# KiCad board helios-panel.kicad_pcb (continued)
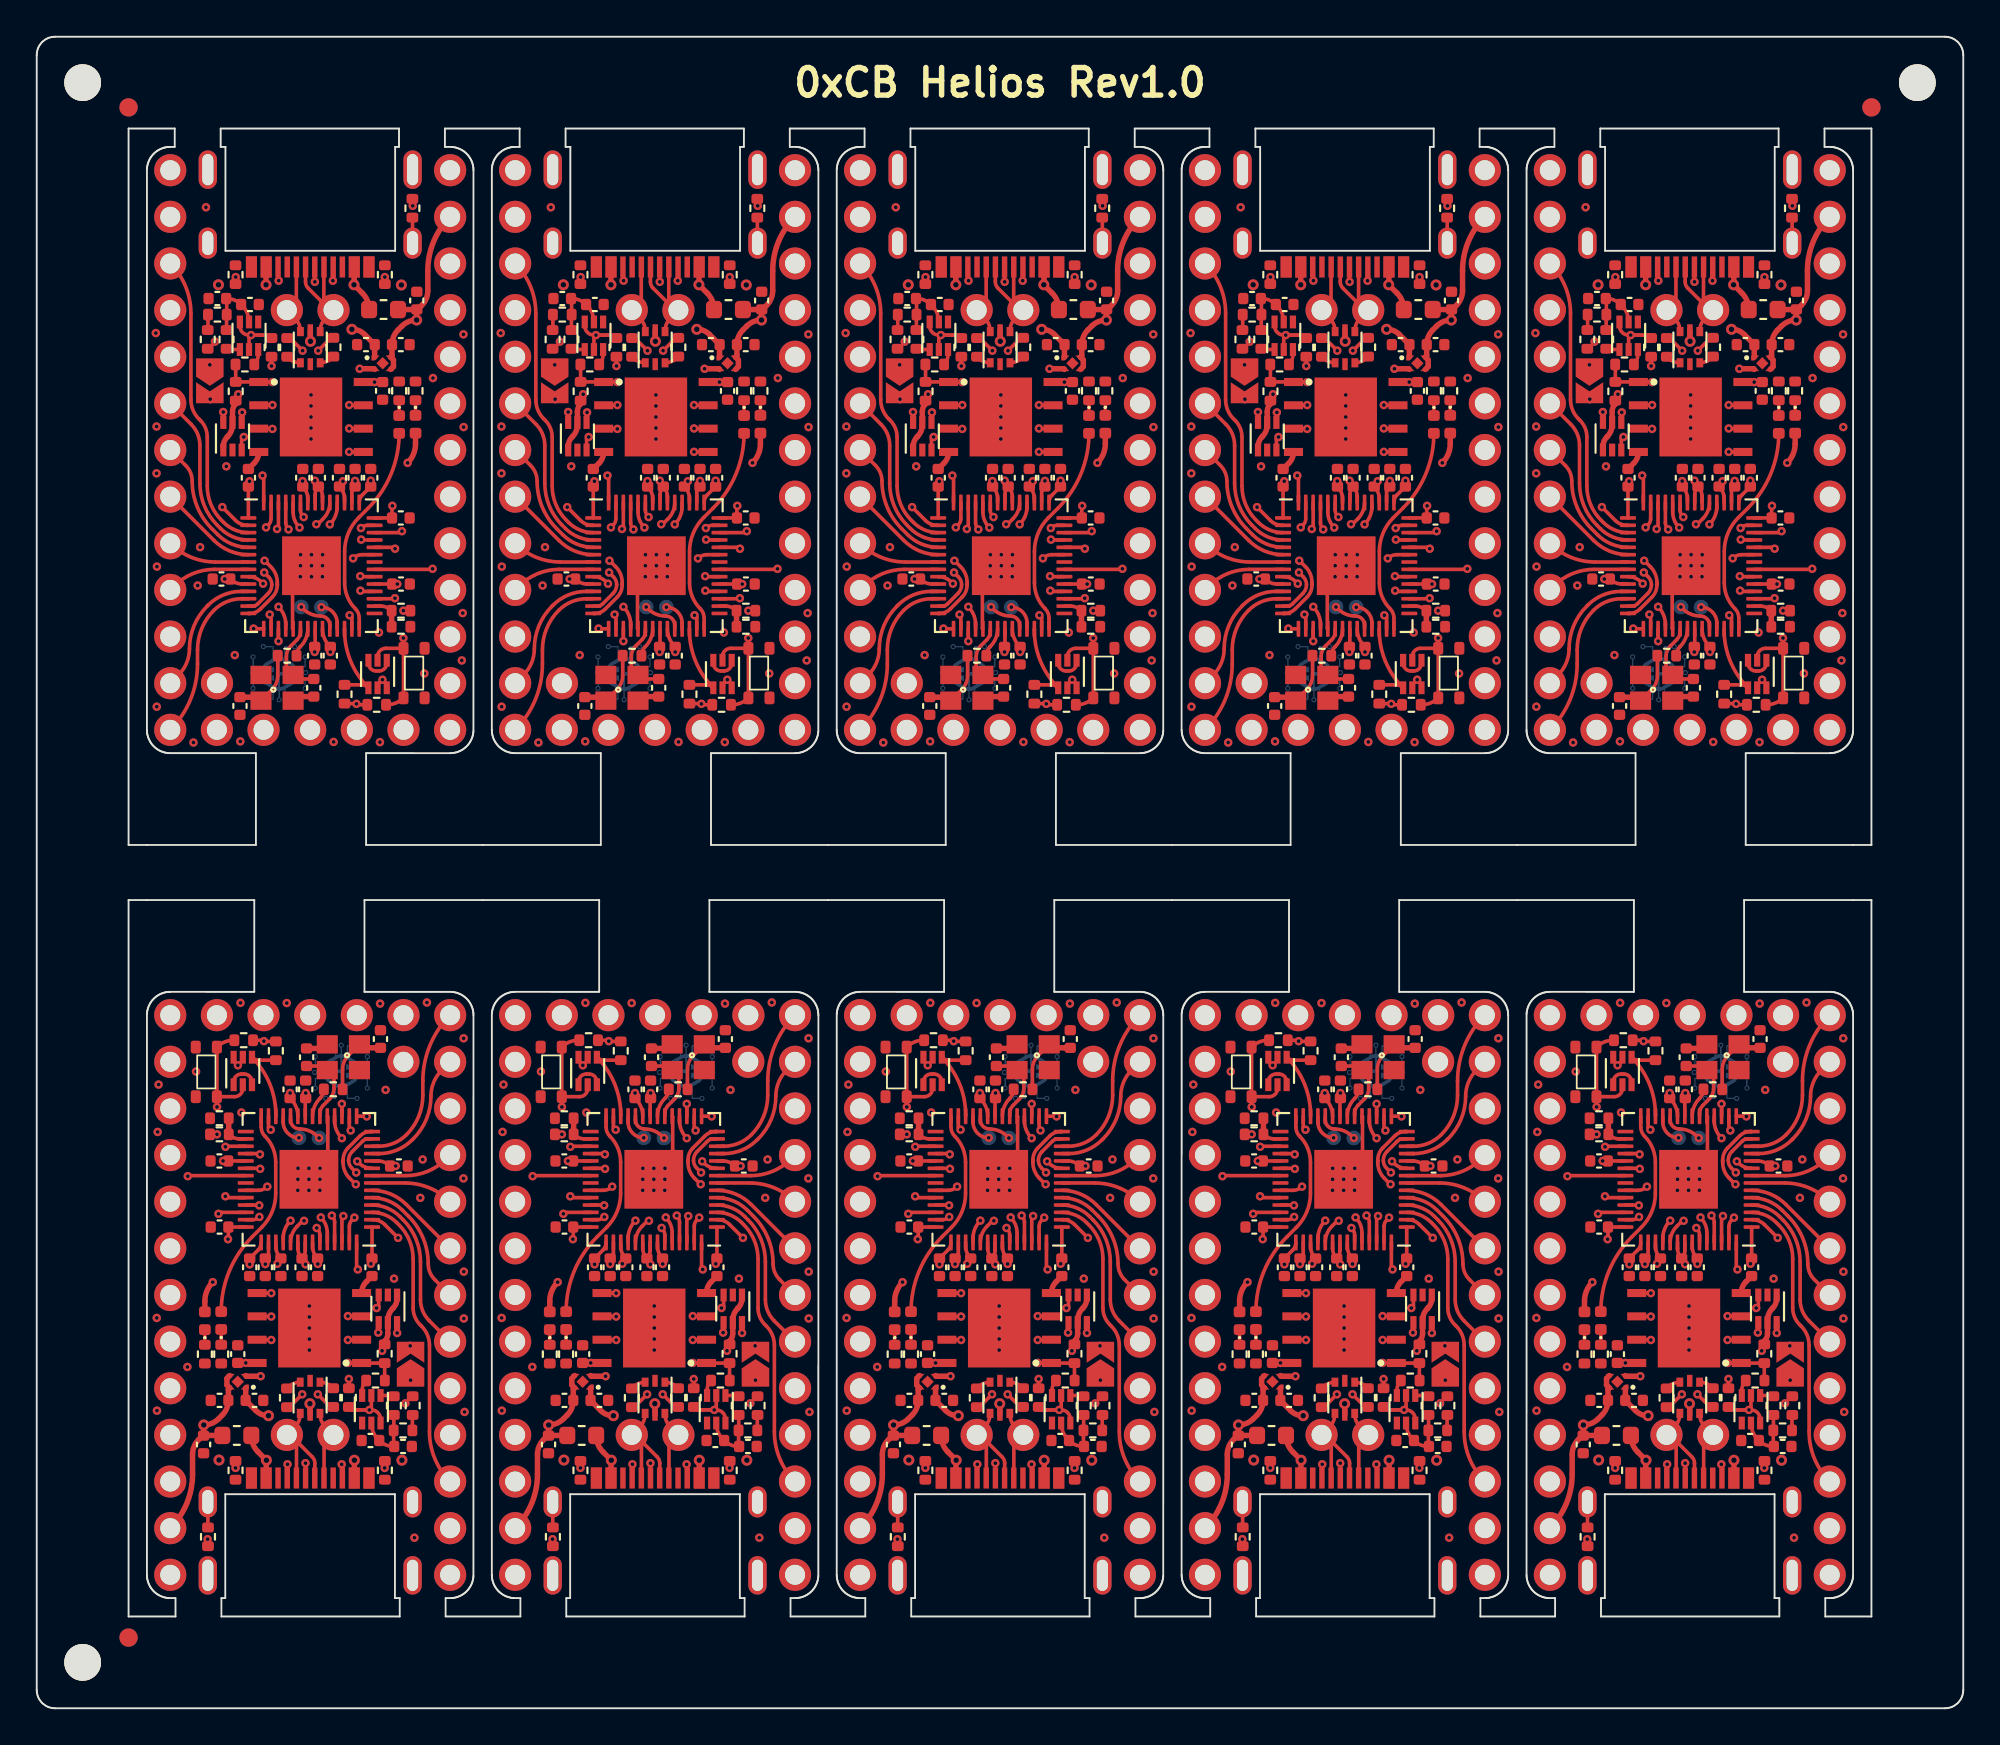
[diagram p0: board, top side]
## Routing (per net, layer and track width the routed paths; a pad name or vN(x,y) marks a point on that pad's centre or on a via; arc(x,y) is an arc through that point) (continued)
Board_9-/QSPI_CLK: length 11.3
  Top w0.2: U4#3.52 90.94,25.89 arc(90.85,26.35) v1(90.59,26.73) ; v1(87.89,21.34) 87.88,21.35 U3#3.6
  In2.Cu w0.2: v1(90.59,26.73) 90.59,26.64 arc(91.05,25.94) 91.22,25.13 91.22,23.85 arc(91.04,23.43) 90.62,23.26 87.92,23.26 arc(87.56,23.11) 87.42,22.76 87.42,22.48 arc(87.54,21.86) v1(87.89,21.34)
Board_9-/QSPI_CS: length 9.8
  Top w0.2: v1(92.61,23.9) 92.54,23.97 92.54,25.35 ; R9.1 94.06,17.86 R11#4.2 92.81,18.8 U3#3.1 92.07,18.81 v1(92.06,18.81)
  In2.Cu w0.2: v1(92.61,23.9) arc(92.78,23.64) 92.84,23.34 92.84,20.68 arc(92.64,19.67) v1(92.06,18.81)
Board_9-/QSPI_SD0: length 11.3
  Top w0.2: v1(91.19,26.84) 91.19,26.83 arc(91.3,26.67) 91.34,26.48 U4#3.53 ; v1(87.89,22.61) 87.89,22.62 U3#3.5
  In2.Cu w0.2: v1(91.19,26.84) 91.19,26.76 arc(91.43,26.4) 91.52,25.98 91.52,23.8 arc(91.27,23.21) 90.68,22.96 89.84,22.96 arc(89.74,22.92) 89.69,22.81 89.69,22.56 arc(89.65,22.45) 89.55,22.41 arc(89.44,22.45) 89.39,22.56 89.39,22.81 arc(89.35,22.92) 89.25,22.96 arc(89.14,22.92) 89.09,22.81 89.09,22.56 arc(89.05,22.45) 88.94,22.41 arc(88.84,22.45) 88.8,22.56 88.8,22.81 arc(88.75,22.92) 88.64,22.96 arc(88.27,22.89) 87.95,22.67 v1(87.89,22.61)
Board_9-/QSPI_SD1: length 11.4
  Top w0.2: v1(92.42,26.72) 92.29,26.6 arc(92.18,26.43) 92.14,26.24 U4#3.55 ; U3#3.2 92.08,20.08 v1(92.06,20.06)
  In2.Cu w0.2: v1(92.42,26.72) 92.25,26.56 arc(92.15,26.41) 92.11,26.24 arc(92.16,26.13) 92.27,26.09 92.36,26.09 arc(92.47,26.05) 92.52,25.94 arc(92.47,25.83) 92.36,25.79 92.27,25.79 arc(92.16,25.75) 92.11,25.64 arc(92.16,25.53) 92.27,25.49 92.36,25.49 arc(92.47,25.45) 92.52,25.34 arc(92.47,25.23) 92.36,25.19 92.27,25.19 arc(92.16,25.15) 92.11,25.04 arc(92.16,24.93) 92.27,24.89 92.36,24.89 arc(92.47,24.85) 92.52,24.74 arc(92.47,24.63) 92.36,24.59 92.27,24.59 arc(92.16,24.55) 92.11,24.44 92.11,23.88 arc(92.15,23.69) 92.26,23.53 92.39,23.4 arc(92.5,23.23) 92.54,23.04 92.54,22.7 arc(92.5,22.6) 92.39,22.55 92.29,22.55 arc(92.18,22.51) 92.14,22.4 arc(92.18,22.3) 92.29,22.25 92.39,22.25 arc(92.5,22.21) 92.54,22.1 92.54,21.2 arc(92.42,20.59) v1(92.06,20.06)
Board_9-/QSPI_SD2: length 11.3
  Top w0.2: v1(91.81,26.81) 91.74,26.73 U4#3.54 ; v1(92.06,21.36) 92.08,21.35 U3#3.3
  In2.Cu w0.2: v1(91.81,26.81) 91.81,22.81 arc(91.77,22.7) 91.67,22.66 90.97,22.66 arc(90.86,22.62) 90.81,22.51 arc(90.86,22.4) 90.97,22.36 91.67,22.36 arc(91.77,22.32) 91.81,22.21 arc(91.77,22.1) 91.67,22.06 90.97,22.06 arc(90.86,22.02) 90.81,21.91 arc(90.86,21.8) 90.97,21.76 91.67,21.76 arc(91.77,21.72) 91.81,21.61 v1(92.06,21.36)
Board_9-/QSPI_SD3: length 11.4
  Top w0.2: v1(87.89,20.06) 87.88,20.08 U3#3.7 ; v1(90.36,26.16) 90.39,26.13 arc(90.5,25.97) 90.54,25.78 U4#3.51
  In2.Cu w0.2: v1(90.36,26.16) arc(90.77,25.55) 90.91,24.84 90.91,23.91 arc(90.82,23.68) 90.58,23.58 87.9,23.58 arc(87.32,23.34) 87.08,22.76 87.08,22.03 arc(87.29,20.96) v1(87.89,20.06)
Board_9-/RESET: length 24.7
  Top w0.2: v1(84.94,32.75) 84.93,32.76 SW1#6.2 ; SW1#6.2 85.89,33.31 arc(86.21,33.44) 86.34,33.76 Q1#2.2 86.33,33.96 ; SW1#6.2 SW1#6.2 arc(85.35,36.29) 85.84,36.39 R1#7.2
  In2.Cu w0.2: J2#4.28 arc(83.53,16.6) 83.93,18.61 83.93,30.33 arc(84.19,31.64) v1(84.94,32.75)
Board_9-/RGB_5V: length 17.5
  Top w0.2: U5#6.4 93.74,20.48 v1(93.72,20.46)
  In2.Cu w0.2: v1(93.72,20.46) arc(94,20.89) 94.1,21.39 94.1,24.88 arc(93.87,26.04) 93.21,27.02 91.94,28.29 arc(91.63,28.76) 91.52,29.31 arc(91.64,29.92) 91.99,30.44 93.9,32.34 arc(94.78,33.66) 95.08,35.21
Board_9-/RGB_DO: length 15.4
  Top w0.2: U4#3.37 87.19,28.21 arc(87.45,28.26) v1(87.67,28.41) ; U5#6.3 93.74,21.92 v1(93.62,21.8)
  In1.Cu w0.2: v1(93.62,21.8) 94.42,21.8 arc(95.07,22.07) 95.34,22.73 arc(95.2,23.46) 94.78,24.08 94.01,24.86 arc(93.57,25.51) 93.42,26.28 93.42,26.79 arc(93.23,27.25) 92.78,27.44 89.54,27.44 arc(88.72,27.6) 88.02,28.06 v1(87.67,28.41)
Board_9-/RST: length 4.9
  Top w0.2: U4#3.26 88.14,32.32 arc(87.8,34.02) Q1#2.4 86.85,35.45 arc(87.02,35.34) 87.21,35.3 R3#5.2
Board_9-/SWD_CLK: length 2.2
  Top w0.2: v1(90.5,31.06) 90.4,31.15 arc(89.96,31.45) 89.44,31.55 arc(89.09,31.7) 88.94,32.05 U4#3.24
Board_9-/SWD_IO: length 1.7
  Top w0.2: U4#3.25 88.54,31.92 arc(88.79,31.32) v1(89.39,31.07)
Board_9-/USB+: length 0.8
  Top w0.2: R12#2.1 91.21,17.48 arc(90.91,17.69) U1#5.1
Board_9-/USB-: length 0.8
  Top w0.2: R13#5.1 88.81,17.49 arc(89.11,17.69) U1#5.3
Board_9-GND: length 8.8
  Top w0.2: Q1#2.1 85.84,34.12 arc(85.97,34.42) 86.27,34.54 86.41,34.54 arc(86.71,34.42) 86.84,34.12 Q1#2.3 ; v1(89.94,28.81) 90.97,29.84 90.97,32.22 U4#3.19
  Top w0.3: C16#7.2 93.06,23.23 arc(92.88,22.95) U3#3.4 ; v1(87.31,18.09) 86.53,18.09 U2#4.2 ; C7#5.1 90.72,35.94 Y1#4.2
  vias: v1(81.7,31.39) v1(81.66,21.26) v1(81.67,16.21) v1(81.75,33.97) v1(83.33,18.59) v1(83.8,34.68) v1(84.42,9.21) v1(86.22,38.42) v1(86.27,32.45) v1(88.73,38.41) v1(89.34,29.41) v1(89.34,28.81) v1(89.33,28.21) v1(89.94,29.41) v1(89.94,28.21) v1(89.97,21.91) v1(89.97,21.31) v1(89.97,20.71) v1(89.97,20.11) v1(89.97,19.51) v1(90.55,29.41) v1(90.54,28.81) v1(90.53,28.21) v1(93.81,38.38) v1(94.11,33.68) v1(95.19,16.61) v1(95.69,9.29) v1(96,27.8) v1(96.14,29.89) v1(96.36,38.44) v1(98.36,36.49) v1(98.36,28.86) v1(98.38,23.78) v1(98.38,21.23) v1(98.42,16.14) v2(85.05,13.52) v2(95,13.51)
Board_9-Net-(C1-Pad1): length 3.7
  Top w0.2: 94.56,15.98 94.56,15.15 94.56,15.14 94.56,14.29 C1.1 94.55,14.26 arc(94.13,14.34) C2#7.1 93.71,14.65 arc(93.44,15.05) Q2#6.5
Board_9-Net-(C7-Pad2): length 4.1
  Top w0.2: C7#5.2 90.72,34.98 Y1#4.3 91.16,34.54 arc(91.27,34.38) 91.31,34.19 91.31,33.76 arc(91.24,33.45) 91.07,33.18 90.72,32.83 arc(90.59,32.64) 90.54,32.4 U4#3.20
Board_9-Net-(C8-Pad2): length 4
  Top w0.2: Y1#4.1 92.09,35.56 arc(91.86,35.21) 91.78,34.8 R14#2.1
  Top w0.3: Y1#4.1 92.88,35.97 C8#5.2
Board_9-Net-(D1-Pad1): length 0.8
  Top w0.2: D1#8.1 R10#6.1
Board_9-Net-(D1-Pad2): length 24.2
  Top w0.2: JP1#7.2 95.45,19.48 v1(95.45,19.74)
  Top w0.3: D1#8.2 84.28,22.17 arc(84.39,22.73) v1(84.7,23.21)
  In1.Cu w0.2: v1(95.45,19.74) 95.47,19.74 arc(95.6,19.94) 95.64,20.17 95.64,22.84 arc(95.5,23.58) 95.08,24.21 94.33,24.96 arc(93.88,25.63) 93.72,26.42 93.72,26.81 arc(93.45,27.46) 92.8,27.74 89.52,27.74 arc(89.11,27.82) 88.77,28.05 88.06,28.76 arc(87.7,28.9) 87.35,28.76 87.33,28.74 arc(87.19,28.39) 87.33,28.03 87.57,27.79 arc(87.93,26.92) 87.57,26.05 84.73,23.21 v1(84.7,23.21)
Board_9-Net-(D2-Pad1): length 0.8
  Top w0.2: D2#2.1 R15#10.1
Board_9-Net-(FB1-Pad1): length 1.4
  Top w0.2: 84.44,11.24 84.44,9.86 FB1#7.1
Board_9-Net-(J1-PadA5): length 4.1
  Top w0.2: v1(88.78,13.29) 88.77,13.28 88.77,12.54 ; R7#4.2 v1(85.94,13.09)
  In1.Cu w0.2: v1(85.94,13.09) 86.05,12.99 88.04,12.99 arc(88.44,13.06) v1(88.78,13.29)
Board_9-Net-(J1-PadB5): length 3.6
  Top w0.2: R8#7.2 94.08,13.1 v1(94.06,13.09) ; 91.77,12.54 91.77,13.25 v1(91.73,13.29)
  In1.Cu w0.2: v1(94.06,13.09) 93.96,12.99 92.45,12.99 arc(92.06,13.06) v1(91.73,13.29)
Board_9-Net-(Q1-Pad5): length 28.5
  Top w0.2: 92.59,16.25 93.34,16.25 arc(93.69,16.1) 93.84,15.75 Q2#6.6 ; 92.59,16.25 92.28,16.25 R2#4.2 ; 92.59,16.25 v1(93.23,16.25) 93.34,16.36 Q2#6.2 ; Q1#2.5 86.34,35.29 v1(86.08,35.02) 85.84,35.26 Q1#2.6
  In2.Cu w0.2: v1(93.23,16.25) 93.35,16.37 arc(93.46,16.54) 93.5,16.73 93.5,18.81 arc(93.46,19) 93.35,19.16 93.32,19.2 arc(93.19,19.4) 93.14,19.63 93.14,22.2 arc(93.22,22.59) 93.44,22.92 arc(93.71,23.32) 93.8,23.79 93.8,24.77 arc(93.57,25.92) 92.92,26.89 91.67,28.14 arc(91.34,28.64) 91.22,29.22 91.22,31.62 arc(90.23,34.02) 87.82,35.02 86.08,35.02 v1(86.08,35.02)
Board_9-Net-(Q2-Pad1): length 0.7
  Top w0.2: Q2#6.1 94.53,17.04 R4#6.1
Board_9-Net-(R5-Pad2): length 0.8
  Top w0.2: 95.59,15.98 95.58,15.96 R5#5.2
Board_9-Net-(R14-Pad2): length 1.6
  Top w0.2: R14#2.2 arc(90.7,33.45) 90.56,33.23 90.54,33.21 arc(90.24,32.77) U4#3.21
Board_9-VBUS: length 28.7
  Top w0.2: v1(84.94,31.26) 84.56,31.26
  Top w0.3: v2(92.42,13.51) 92.42,12.54 ; 87.61,12.54 87.61,13.5 v2(87.62,13.51) 87.18,13.96 arc(86.9,14.37) F1.1
  In2.Cu w0.2: v1(84.94,31.26) arc(84.41,30.48) 84.23,29.56 84.23,21.7 arc(85.11,17.27) v2(87.62,13.51)
  In2.Cu w0.3: v2(92.42,13.51) arc(92.15,12.86) 91.5,12.59 88.54,12.59 arc(87.89,12.86) v2(87.62,13.51)

## Copper pours and planes (outline as drawn; the poured copper is in the pictures)
(no net) on Top: 104.28,90.96 104.19,91 104.1,91.02 104,91.04 103.9,91.04 1,91.04 0.9,91.04 0.8,91.02 0.71,91 0.62,90.96 0.53,90.92 0.44,90.87 0.37,90.81 0.29,90.75 0.23,90.67 0.17,90.6 0.12,90.51 0.08,90.42 0.04,90.33 0.02,90.24 0,90.14 0,90.04 0,1 0,0.9 0.02,0.8 0.04,0.71 0.08,0.62 0.12,0.53 0.17,0.44 0.23,0.37 0.29,0.29 0.37,0.23 0.44,0.17 0.53,0.12 0.62,0.08 0.71,0.04 0.8,0.02 0.9,0 1,0 103.9,0 104,0 104.1,0.02 104.19,0.04 104.28,0.08 104.37,0.12 104.46,0.17 104.53,0.23 104.61,0.29 104.67,0.37 104.73,0.44 104.78,0.53 104.82,0.62 104.86,0.71 104.88,0.8 104.9,0.9 104.9,1 104.9,90.04 104.9,90.14 104.88,90.24 104.86,90.33 104.82,90.42 104.78,90.51 104.73,90.6 104.67,90.67 104.61,90.75 104.53,90.81 104.46,90.87 104.37,90.92 ; 2 cut-outs
(no net) on Bottom: 104.28,90.96 104.19,91 104.1,91.02 104,91.04 103.9,91.04 1,91.04 0.9,91.04 0.8,91.02 0.71,91 0.62,90.96 0.53,90.92 0.44,90.87 0.37,90.81 0.29,90.75 0.23,90.67 0.17,90.6 0.12,90.51 0.08,90.42 0.04,90.33 0.02,90.24 0,90.14 0,90.04 0,1 0,0.9 0.02,0.8 0.04,0.71 0.08,0.62 0.12,0.53 0.17,0.44 0.23,0.37 0.29,0.29 0.37,0.23 0.44,0.17 0.53,0.12 0.62,0.08 0.71,0.04 0.8,0.02 0.9,0 1,0 103.9,0 104,0 104.1,0.02 104.19,0.04 104.28,0.08 104.37,0.12 104.46,0.17 104.53,0.23 104.61,0.29 104.67,0.37 104.73,0.44 104.78,0.53 104.82,0.62 104.86,0.71 104.88,0.8 104.9,0.9 104.9,1 104.9,90.04 104.9,90.14 104.88,90.24 104.86,90.33 104.82,90.42 104.78,90.51 104.73,90.6 104.67,90.67 104.61,90.75 104.53,90.81 104.46,90.87 104.37,90.92 ; 2 cut-outs
Board_0-+3V3 on In1.Cu, In2.Cu: 1.73,88.23 26.23,88.23 26.23,48.73 1.73,48.73
Board_0-+5V on Top: 21.7,79.71 21.78,79.88 21.87,80.01 21.96,80.11 22.07,80.17 22.18,80.22 22.3,80.26 22.43,80.29 22.57,80.32 22.72,80.37 22.88,80.44 22.79,81.57 21.66,81.43 21.62,81.23 21.6,81.07 21.59,80.92 21.59,80.78 21.59,80.65 21.58,80.51 21.57,80.37 21.54,80.21 21.5,80.03 21.42,79.82
Board_0-/0_TX0 on In1.Cu: 8.08,79.65 7.99,79.82 7.93,79.98 7.91,80.12 7.91,80.26 7.94,80.38 7.98,80.51 8.02,80.65 8.07,80.8 8.11,80.96 8.14,81.15 7.12,81.64 6.66,80.6 6.81,80.46 6.95,80.36 7.08,80.28 7.32,80.14 7.43,80.06 7.55,79.97 7.67,79.86 7.79,79.72 7.92,79.54
Board_0-/1_RX0 on Top: 8.28,77.24 8.22,77.46 8.18,77.65 8.16,77.81 8.16,77.95 8.17,78.09 8.17,78.22 8.18,78.36 8.18,78.51 8.16,78.68 8.13,78.88 7,79.03 6.89,77.9 7.05,77.83 7.21,77.79 7.36,77.75 7.49,77.72 7.62,77.69 7.74,77.64 7.84,77.58 7.94,77.48 8.02,77.35 8.1,77.18
Board_0-/2_SDA1 on Top: 8.93,69.21 8.85,69.5 8.77,69.74 8.68,69.95 8.6,70.13 8.51,70.29 8.43,70.45 8.35,70.62 8.27,70.8 8.19,71.02 8.12,71.29 6.96,71.38 6.98,70.24 7.23,70.17 7.47,70.11 7.7,70.06 7.9,70.02 8.09,69.96 8.26,69.88 8.41,69.77 8.54,69.62 8.65,69.42 8.74,69.16
Board_0-/3_SCL1 on Top: 8.56,66.92 8.54,67.15 8.5,67.35 8.46,67.51 8.4,67.66 8.35,67.79 8.3,67.92 8.25,68.06 8.2,68.21 8.17,68.38 8.14,68.59 6.96,68.84 6.98,67.7 7.18,67.65 7.38,67.61 7.56,67.58 7.74,67.55 7.9,67.51 8.05,67.46 8.17,67.38 8.26,67.27 8.33,67.11 8.36,66.91
Board_0-/4 on Top: 8.58,64.83 8.44,64.98 8.34,65.12 8.28,65.26 8.24,65.39 8.22,65.51 8.21,65.65 8.2,65.78 8.18,65.93 8.15,66.1 8.1,66.28 6.96,66.3 6.98,65.16 7.16,65.11 7.33,65.08 7.48,65.06 7.61,65.05 7.75,65.04 7.87,65.02 8,64.98 8.14,64.92 8.28,64.82 8.43,64.68
Board_0-/5 on Top: 8.79,62.66 8.62,62.73 8.49,62.81 8.39,62.9 8.32,63 8.28,63.12 8.24,63.24 8.21,63.38 8.17,63.52 8.12,63.68 8.06,63.84 6.92,63.72 7.09,62.59 7.29,62.56 7.46,62.54 7.61,62.54 7.75,62.55 7.88,62.56 8.02,62.57 8.17,62.57 8.33,62.56 8.52,62.53 8.74,62.47
Board_0-/6 on Top: 8.68,61.97 8.47,61.91 8.28,61.87 8.12,61.85 7.98,61.84 7.85,61.84 7.71,61.84 7.58,61.83 7.43,61.82 7.26,61.8 7.06,61.76 6.93,60.63 8.07,60.55 8.13,60.71 8.17,60.87 8.2,61.02 8.23,61.16 8.25,61.3 8.29,61.42 8.35,61.53 8.44,61.62 8.57,61.71 8.75,61.78
Board_0-/7 on In2.Cu: 8.96,58.76 8.77,58.7 8.61,58.69 8.48,58.7 8.35,58.74 8.24,58.8 8.13,58.87 8.02,58.95 7.89,59.03 7.75,59.11 7.58,59.19 6.83,58.33 7.72,57.62 7.88,57.72 8.02,57.83 8.13,57.93 8.22,58.03 8.32,58.13 8.41,58.22 8.52,58.31 8.66,58.4 8.82,58.49 9.03,58.57
Board_0-/8 on Top: 8.17,57.28 8.11,57.1 8.03,56.97 7.94,56.88 7.83,56.83 7.7,56.79 7.57,56.77 7.42,56.75 7.27,56.73 7.1,56.7 6.93,56.64 6.98,55.5 8.12,55.63 8.16,55.83 8.19,55.99 8.21,56.14 8.22,56.27 8.25,56.53 8.26,56.67 8.28,56.83 8.31,57.01 8.36,57.23
Board_0-/9 on Top: 8.18,54.76 8.09,54.59 7.99,54.47 7.88,54.38 7.77,54.32 7.65,54.28 7.52,54.25 7.39,54.23 7.24,54.2 7.08,54.15 6.91,54.09 6.99,52.95 8.12,53.07 8.16,53.27 8.18,53.44 8.19,53.59 8.18,53.73 8.18,53.86 8.18,54 8.19,54.14 8.22,54.3 8.28,54.47 8.36,54.68
Board_0-/10 on In2.Cu: 8.32,82.35 8.24,82.56 8.2,82.74 8.18,82.9 8.17,83.04 8.17,83.18 8.18,83.31 8.18,83.45 8.18,83.6 8.16,83.77 8.12,83.97 6.99,84.11 6.9,82.98 7.06,82.91 7.22,82.86 7.37,82.83 7.5,82.8 7.63,82.77 7.75,82.73 7.86,82.67 7.96,82.57 8.05,82.45 8.13,82.27
Board_0-/11 on In1.Cu: 21.66,82.27 21.74,82.44 21.83,82.57 21.93,82.66 22.03,82.73 22.15,82.77 22.28,82.8 22.42,82.83 22.56,82.86 22.72,82.91 22.88,82.98 22.79,84.11 21.66,83.97 21.62,83.77 21.6,83.6 21.6,83.45 21.6,83.31 21.61,83.18 21.61,83.04 21.61,82.9 21.59,82.74 21.54,82.55 21.47,82.34
Board_0-/12 on In1.Cu: 10.79,54.73 10.68,54.56 10.57,54.44 10.46,54.36 10.34,54.31 10.22,54.27 10.09,54.25 9.95,54.23 9.8,54.2 9.64,54.16 9.47,54.1 9.52,52.96 10.65,53.06 10.7,53.25 10.72,53.42 10.73,53.57 10.73,53.84 10.74,53.97 10.76,54.11 10.8,54.26 10.86,54.43 10.97,54.63
Board_0-/13 on In1.Cu: 12.25,55.04 12.24,54.83 12.21,54.66 12.16,54.52 12.09,54.4 12.02,54.3 11.93,54.2 11.84,54.09 11.75,53.97 11.65,53.84 11.56,53.67 12.35,52.85 13.14,53.67 13.05,53.84 12.95,53.97 12.86,54.09 12.77,54.2 12.68,54.3 12.61,54.4 12.54,54.52 12.49,54.66 12.46,54.83 12.45,55.04
Board_0-/14 on In1.Cu: 13.76,54.65 13.86,54.45 13.92,54.28 13.95,54.12 13.97,53.98 13.98,53.85 13.97,53.72 13.97,53.58 13.98,53.43 14,53.26 14.04,53.06 15.18,52.96 15.24,54.09 15.07,54.16 14.91,54.2 14.76,54.23 14.62,54.25 14.49,54.27 14.37,54.31 14.26,54.37 14.15,54.45 14.04,54.58 13.94,54.74
Board_0-/15 on In1.Cu: 16.12,54.45 16.26,54.3 16.36,54.16 16.42,54.02 16.46,53.89 16.48,53.77 16.49,53.63 16.5,53.5 16.52,53.35 16.55,53.18 16.6,53 17.74,52.98 17.72,54.12 17.54,54.17 17.37,54.2 17.22,54.22 17.09,54.23 16.95,54.24 16.83,54.26 16.7,54.3 16.56,54.36 16.42,54.46 16.27,54.6
Board_0-/16 on In1.Cu: 18.68,54.51 18.81,54.34 18.9,54.18 18.96,54.04 18.99,53.9 19.01,53.77 19.02,53.64 19.03,53.5 19.05,53.36 19.09,53.19 19.14,53 20.28,52.98 20.26,54.12 20.08,54.17 19.91,54.2 19.76,54.21 19.62,54.22 19.49,54.24 19.36,54.26 19.23,54.3 19.11,54.37 18.98,54.48 18.84,54.63
Board_0-/20_SDI on In1.Cu: 21.2,59.53 21.34,59.38 21.44,59.24 21.5,59.1 21.54,58.97 21.56,58.85 21.57,58.71 21.58,58.58 21.6,58.43 21.63,58.26 21.68,58.08 22.82,58.06 22.8,59.2 22.62,59.25 22.45,59.28 22.3,59.3 22.17,59.31 22.03,59.32 21.91,59.34 21.78,59.38 21.64,59.44 21.5,59.54 21.35,59.68
Board_0-/21_CS on In1.Cu: 21.2,54.45 21.34,54.3 21.44,54.16 21.5,54.02 21.54,53.89 21.56,53.77 21.57,53.63 21.58,53.5 21.6,53.35 21.63,53.18 21.68,53 22.82,52.98 22.8,54.12 22.62,54.17 22.45,54.2 22.3,54.22 22.17,54.23 22.03,54.24 21.91,54.26 21.78,54.3 21.64,54.36 21.5,54.46 21.35,54.6
Board_0-/22_SCK on In1.Cu: 20.95,61.58 21.13,61.54 21.26,61.48 21.36,61.4 21.43,61.31 21.49,61.2 21.53,61.08 21.57,60.94 21.61,60.8 21.67,60.65 21.74,60.49 22.87,60.65 22.63,61.78 22.43,61.8 22.26,61.81 22.11,61.8 21.97,61.79 21.7,61.76 21.56,61.75 21.39,61.74 21.2,61.75 20.98,61.78
Board_0-/23_SDO on In2.Cu: 21.47,57.26 21.53,57.04 21.56,56.86 21.58,56.69 21.59,56.55 21.59,56.41 21.59,56.28 21.59,56.14 21.6,55.99 21.62,55.82 21.66,55.63 22.79,55.49 22.88,56.62 22.71,56.69 22.56,56.73 22.41,56.76 22.27,56.79 22.14,56.82 22.02,56.86 21.91,56.92 21.81,57.01 21.73,57.14 21.66,57.32
Board_0-/A0 on In1.Cu: 20.8,63.06 21.03,63.04 21.22,63.01 21.38,62.97 21.52,62.91 21.64,62.85 21.77,62.78 21.9,62.72 22.04,62.66 22.21,62.61 22.41,62.58 22.92,63.6 21.89,64.07 21.77,63.94 21.68,63.82 21.52,63.6 21.44,63.5 21.35,63.42 21.25,63.35 21.13,63.3 20.99,63.27 20.8,63.26
Board_0-/A1 on In1.Cu: 21.35,64.68 21.5,64.82 21.64,64.92 21.78,64.98 21.91,65.02 22.03,65.04 22.17,65.05 22.3,65.06 22.45,65.08 22.62,65.11 22.8,65.16 22.82,66.3 21.68,66.28 21.63,66.1 21.6,65.93 21.58,65.78 21.57,65.65 21.56,65.51 21.54,65.39 21.5,65.26 21.44,65.12 21.34,64.98 21.2,64.83
Board_0-/A2 on In1.Cu: 21.35,67.22 21.5,67.36 21.64,67.46 21.78,67.52 21.91,67.56 22.03,67.58 22.17,67.59 22.3,67.6 22.45,67.62 22.62,67.65 22.8,67.7 22.82,68.84 21.68,68.82 21.63,68.64 21.6,68.47 21.58,68.32 21.57,68.19 21.56,68.05 21.54,67.93 21.5,67.8 21.44,67.66 21.34,67.52 21.2,67.37
Board_0-/A3 on In1.Cu: 21.36,69.42 21.41,69.64 21.49,69.8 21.59,69.91 21.71,69.99 21.86,70.05 22.02,70.08 22.2,70.11 22.39,70.14 22.59,70.18 22.8,70.24 22.82,71.38 21.64,71.19 21.6,70.98 21.56,70.79 21.51,70.64 21.46,70.49 21.41,70.36 21.35,70.22 21.3,70.07 21.25,69.9 21.2,69.69 21.16,69.45
Board_0-/PORT+ on Top: 14.46,74.98 14.45,75.07 14.43,75.15 14.41,75.23 14.38,75.3 14.35,75.36 14.31,75.42 14.24,75.53 13.35,76.5 14.06,75.39 14.13,75.31 14.16,75.27 14.19,75.22 14.22,75.17 14.24,75.11 14.25,75.05 14.26,74.98
Board_0-/PORT+ on Top: 14.04,77.74 14.02,77.58 13.99,77.46 13.94,77.35 13.87,77.27 13.79,77.2 13.69,77.15 13.58,77.1 13.46,77.04 13.34,76.99 13.2,76.92 13.36,75.79 14.5,76.15 14.49,76.35 14.47,76.51 14.44,76.66 14.4,76.79 14.37,76.91 14.33,77.04 14.29,77.18 14.26,77.33 14.24,77.52 14.23,77.74
Board_0-/PORT+ on In1.Cu: 14.87,77.38 14.72,77.24 14.58,77.15 14.45,77.09 14.33,77.06 14.2,77.05 14.07,77.05 13.94,77.05 13.79,77.05 13.63,77.04 13.44,77.01 13.27,75.88 14.4,75.76 14.48,75.94 14.53,76.1 14.57,76.25 14.62,76.52 14.65,76.65 14.69,76.79 14.76,76.93 14.87,77.07 15.01,77.24
Board_0-/PORT- on Top: 15.54,77.73 15.53,77.51 15.51,77.33 15.48,77.17 15.45,77.03 15.41,76.91 15.37,76.78 15.34,76.65 15.31,76.51 15.29,76.35 15.28,76.15 16.42,75.8 16.56,76.93 16.43,76.99 16.3,77.05 16.18,77.1 16.08,77.15 15.98,77.2 15.9,77.27 15.83,77.35 15.78,77.45 15.75,77.57 15.73,77.73
Board_0-/PORT- on Top: 14.76,77.22 14.91,77.06 15.01,76.91 15.08,76.77 15.13,76.64 15.16,76.51 15.21,76.23 15.25,76.08 15.3,75.92 15.38,75.74 16.51,75.89 16.32,77.01 16.14,77.04 15.98,77.04 15.83,77.04 15.7,77.04 15.57,77.04 15.44,77.05 15.32,77.08 15.19,77.14 15.05,77.23 14.9,77.36
Board_0-/PORT- on Top: 15.53,74.98 15.54,75.05 15.55,75.11 15.57,75.17 15.6,75.22 15.63,75.27 15.66,75.31 15.73,75.38 16.42,76.5 15.54,75.53 15.47,75.42 15.44,75.36 15.41,75.3 15.38,75.23 15.35,75.15 15.34,75.07 15.33,74.98
Board_0-/RESET on In2.Cu: 21.59,74.68 21.68,74.85 21.78,74.98 21.89,75.06 22,75.12 22.12,75.16 22.25,75.19 22.39,75.21 22.54,75.24 22.7,75.28 22.87,75.35 22.79,76.48 21.66,76.37 21.62,76.17 21.6,76 21.59,75.85 21.6,75.71 21.6,75.58 21.6,75.45 21.58,75.3 21.55,75.15 21.49,74.97 21.41,74.77
Board_0-/RGB_5V on In2.Cu: 10.1,57.57 10,57.37 9.9,57.21 9.8,57.09 9.7,56.98 9.6,56.89 9.5,56.8 9.4,56.7 9.29,56.59 9.19,56.46 9.07,56.29 9.77,55.39 10.64,56.12 10.57,56.29 10.49,56.43 10.41,56.56 10.34,56.68 10.27,56.79 10.22,56.9 10.19,57.02 10.18,57.16 10.21,57.31 10.28,57.49
Board_0-GND on Top, Bottom: 2.73,89.23 27.23,89.23 27.23,49.73 2.73,49.73
Board_0-Net-(C8-Pad2) on Top: 11.24,54.92 11.34,54.92 11.42,54.9 11.49,54.88 11.55,54.85 11.6,54.82 11.64,54.77 11.69,54.72 11.78,54.61 11.84,54.54 12.44,54.79 12.18,55.38 12.06,55.37 11.97,55.35 11.88,55.33 11.81,55.31 11.73,55.29 11.66,55.27 11.57,55.25 11.48,55.23 11.37,55.22 11.24,55.22
Board_0-Net-(C8-Pad2) on Top: 12.97,55.93 12.92,55.79 12.85,55.69 12.78,55.61 12.7,55.55 12.61,55.51 12.52,55.47 12.41,55.45 12.3,55.42 12.18,55.39 12.05,55.35 12.03,54.7 12.68,54.72 12.73,54.86 12.78,54.98 12.83,55.08 12.87,55.18 12.96,55.36 13,55.46 13.05,55.57 13.11,55.7 13.16,55.87
Board_0-Net-(FB1-Pad1) on Top: 20.36,80.79 20.35,80.68 20.34,80.58 20.32,80.5 20.28,80.43 20.25,80.37 20.2,80.31 20.16,80.25 20.11,80.18 20.06,80.11 20.01,80.01 20.47,79.55 20.91,80.02 20.86,80.11 20.81,80.19 20.76,80.26 20.72,80.31 20.67,80.37 20.64,80.43 20.61,80.5 20.58,80.58 20.57,80.68 20.56,80.79
Board_1-+3V3 on In1.Cu, In2.Cu: 20.51,88.23 45.01,88.23 45.01,48.73 20.51,48.73
Board_1-+5V on Top: 40.48,79.71 40.56,79.88 40.65,80.01 40.74,80.11 40.85,80.17 40.96,80.22 41.08,80.26 41.21,80.29 41.35,80.32 41.5,80.37 41.66,80.44 41.57,81.57 40.44,81.43 40.4,81.23 40.38,81.07 40.37,80.92 40.37,80.78 40.37,80.65 40.36,80.51 40.35,80.37 40.32,80.21 40.28,80.03 40.2,79.82
Board_1-/0_TX0 on In1.Cu: 26.86,79.65 26.77,79.82 26.71,79.98 26.69,80.12 26.69,80.26 26.72,80.38 26.76,80.51 26.8,80.65 26.85,80.8 26.89,80.96 26.92,81.15 25.9,81.64 25.44,80.6 25.59,80.46 25.73,80.36 25.86,80.28 26.1,80.14 26.21,80.06 26.33,79.97 26.45,79.86 26.57,79.72 26.7,79.54
Board_1-/1_RX0 on Top: 27.06,77.24 27,77.46 26.96,77.65 26.94,77.81 26.94,77.95 26.95,78.09 26.95,78.22 26.96,78.36 26.96,78.51 26.94,78.68 26.91,78.88 25.78,79.03 25.67,77.9 25.83,77.83 25.99,77.79 26.14,77.75 26.27,77.72 26.4,77.69 26.52,77.64 26.62,77.58 26.72,77.48 26.8,77.35 26.88,77.18
Board_1-/2_SDA1 on Top: 27.71,69.21 27.63,69.5 27.55,69.74 27.46,69.95 27.38,70.13 27.29,70.29 27.21,70.45 27.13,70.62 27.05,70.8 26.97,71.02 26.9,71.29 25.74,71.38 25.76,70.24 26.01,70.17 26.25,70.11 26.48,70.06 26.68,70.02 26.87,69.96 27.04,69.88 27.19,69.77 27.32,69.62 27.43,69.42 27.52,69.16
Board_1-/3_SCL1 on Top: 27.34,66.92 27.32,67.15 27.28,67.35 27.24,67.51 27.18,67.66 27.13,67.79 27.08,67.92 27.03,68.06 26.98,68.21 26.95,68.38 26.92,68.59 25.74,68.84 25.76,67.7 25.96,67.65 26.16,67.61 26.34,67.58 26.52,67.55 26.68,67.51 26.83,67.46 26.95,67.38 27.04,67.27 27.11,67.11 27.14,66.91
Board_1-/4 on Top: 27.36,64.83 27.22,64.98 27.12,65.12 27.06,65.26 27.02,65.39 27,65.51 26.99,65.65 26.98,65.78 26.96,65.93 26.93,66.1 26.88,66.28 25.74,66.3 25.76,65.16 25.94,65.11 26.11,65.08 26.26,65.06 26.39,65.05 26.53,65.04 26.65,65.02 26.78,64.98 26.92,64.92 27.06,64.82 27.21,64.68
Board_1-/5 on Top: 27.57,62.66 27.4,62.73 27.27,62.81 27.17,62.9 27.1,63 27.06,63.12 27.02,63.24 26.99,63.38 26.95,63.52 26.9,63.68 26.84,63.84 25.7,63.72 25.87,62.59 26.07,62.56 26.24,62.54 26.39,62.54 26.53,62.55 26.66,62.56 26.8,62.57 26.95,62.57 27.11,62.56 27.3,62.53 27.52,62.47
Board_1-/6 on Top: 27.46,61.97 27.25,61.91 27.06,61.87 26.9,61.85 26.76,61.84 26.63,61.84 26.49,61.84 26.36,61.83 26.21,61.82 26.04,61.8 25.84,61.76 25.71,60.63 26.85,60.55 26.91,60.71 26.95,60.87 26.98,61.02 27.01,61.16 27.03,61.3 27.07,61.42 27.13,61.53 27.22,61.62 27.35,61.71 27.53,61.78
Board_1-/7 on In2.Cu: 27.74,58.76 27.55,58.7 27.39,58.69 27.26,58.7 27.13,58.74 27.02,58.8 26.91,58.87 26.8,58.95 26.67,59.03 26.53,59.11 26.36,59.19 25.61,58.33 26.5,57.62 26.66,57.72 26.8,57.83 26.91,57.93 27,58.03 27.1,58.13 27.19,58.22 27.3,58.31 27.44,58.4 27.6,58.49 27.81,58.57
Board_1-/8 on Top: 26.95,57.28 26.89,57.1 26.81,56.97 26.72,56.88 26.61,56.83 26.48,56.79 26.35,56.77 26.2,56.75 26.05,56.73 25.88,56.7 25.71,56.64 25.76,55.5 26.9,55.63 26.94,55.83 26.97,55.99 26.99,56.14 27,56.27 27.03,56.53 27.04,56.67 27.06,56.83 27.09,57.01 27.14,57.23
Board_1-/9 on Top: 26.96,54.76 26.87,54.59 26.77,54.47 26.66,54.38 26.55,54.32 26.43,54.28 26.3,54.25 26.17,54.23 26.02,54.2 25.86,54.15 25.69,54.09 25.77,52.95 26.9,53.07 26.94,53.27 26.96,53.44 26.97,53.59 26.96,53.73 26.96,53.86 26.96,54 26.97,54.14 27,54.3 27.06,54.47 27.14,54.68
Board_1-/10 on In2.Cu: 27.1,82.35 27.02,82.56 26.98,82.74 26.96,82.9 26.95,83.04 26.95,83.18 26.96,83.31 26.96,83.45 26.96,83.6 26.94,83.77 26.9,83.97 25.77,84.11 25.68,82.98 25.84,82.91 26,82.86 26.15,82.83 26.28,82.8 26.41,82.77 26.53,82.73 26.64,82.67 26.74,82.57 26.83,82.45 26.91,82.27
Board_1-/11 on In1.Cu: 40.44,82.27 40.52,82.44 40.61,82.57 40.71,82.66 40.81,82.73 40.93,82.77 41.06,82.8 41.2,82.83 41.34,82.86 41.5,82.91 41.66,82.98 41.57,84.11 40.44,83.97 40.4,83.77 40.38,83.6 40.38,83.45 40.38,83.31 40.39,83.18 40.39,83.04 40.39,82.9 40.37,82.74 40.32,82.55 40.25,82.34
Board_1-/12 on In1.Cu: 29.57,54.73 29.46,54.56 29.35,54.44 29.24,54.36 29.12,54.31 29,54.27 28.87,54.25 28.73,54.23 28.58,54.2 28.42,54.16 28.25,54.1 28.3,52.96 29.43,53.06 29.48,53.25 29.5,53.42 29.51,53.57 29.51,53.84 29.52,53.97 29.54,54.11 29.58,54.26 29.64,54.43 29.75,54.63
Board_1-/13 on In1.Cu: 31.03,55.04 31.02,54.83 30.99,54.66 30.94,54.52 30.87,54.4 30.8,54.3 30.71,54.2 30.62,54.09 30.53,53.97 30.43,53.84 30.34,53.67 31.13,52.85 31.92,53.67 31.83,53.84 31.73,53.97 31.64,54.09 31.55,54.2 31.46,54.3 31.39,54.4 31.32,54.52 31.27,54.66 31.24,54.83 31.23,55.04
Board_1-/14 on In1.Cu: 32.54,54.65 32.64,54.45 32.7,54.28 32.73,54.12 32.75,53.98 32.76,53.85 32.75,53.72 32.75,53.58 32.76,53.43 32.78,53.26 32.82,53.06 33.96,52.96 34.02,54.09 33.85,54.16 33.69,54.2 33.54,54.23 33.4,54.25 33.27,54.27 33.15,54.31 33.04,54.37 32.93,54.45 32.82,54.58 32.72,54.74
